# KiCad board mainboard.kicad_pcb
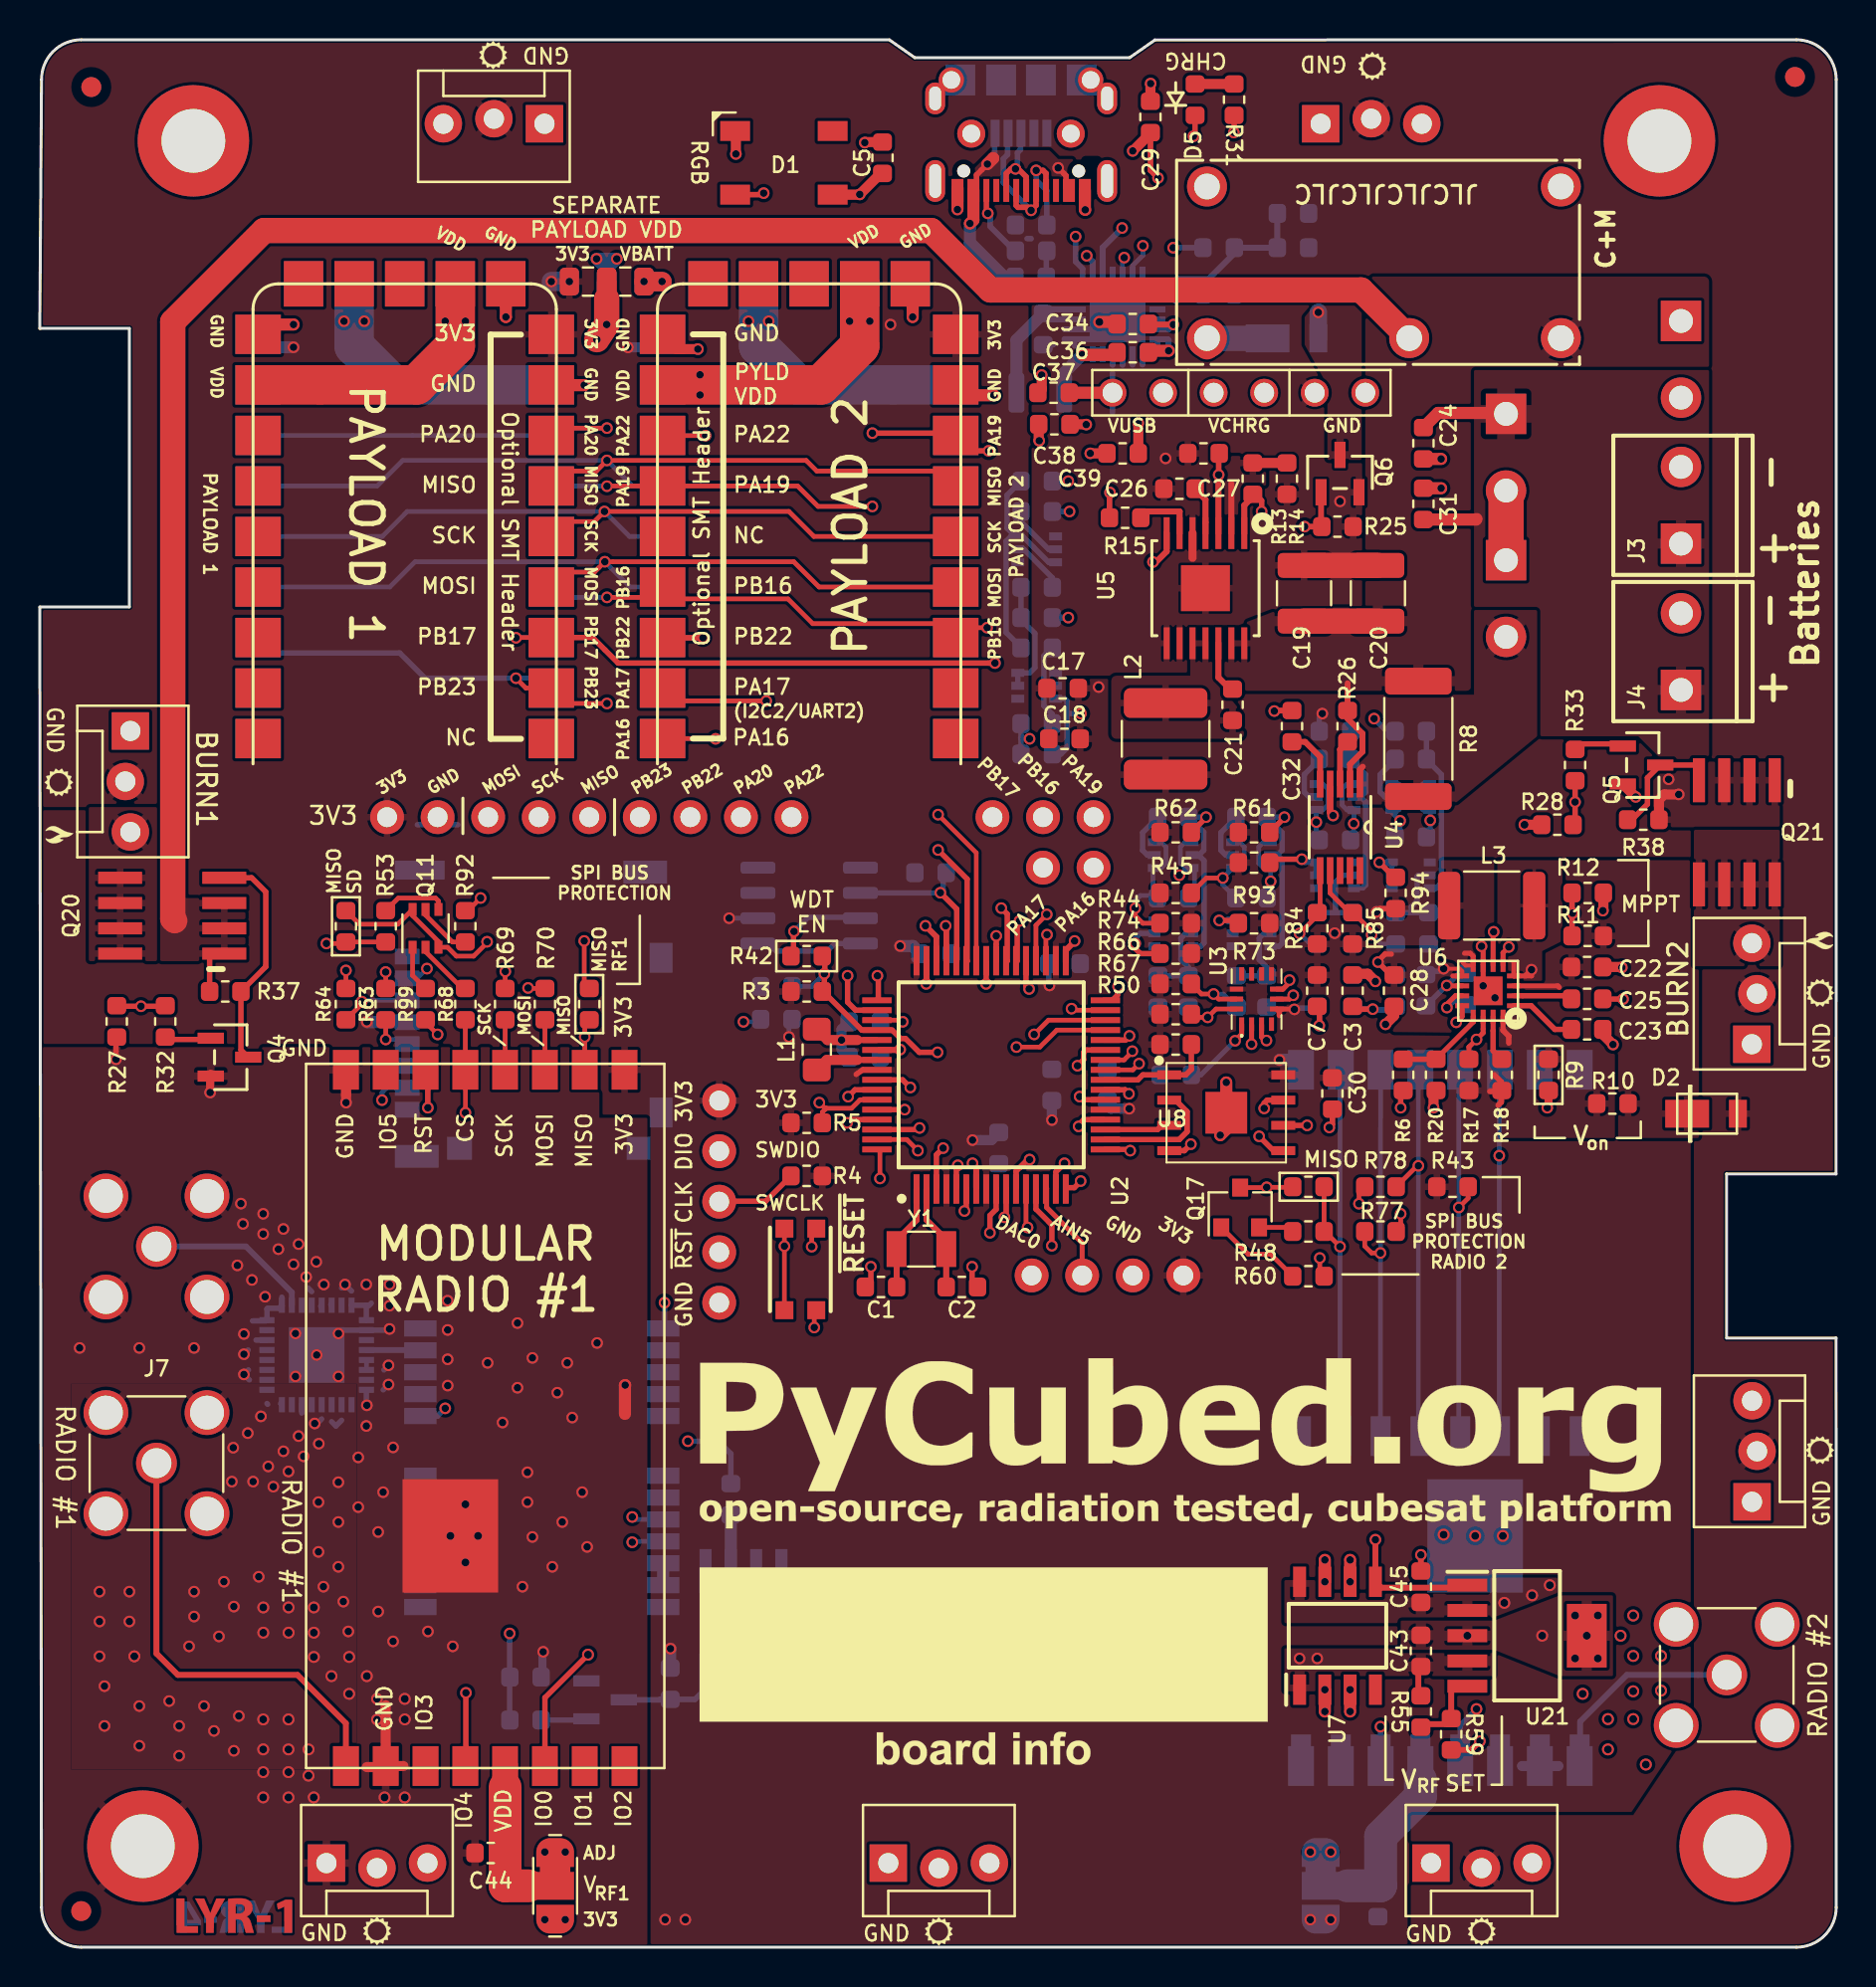
[diagram p0: board, top side]
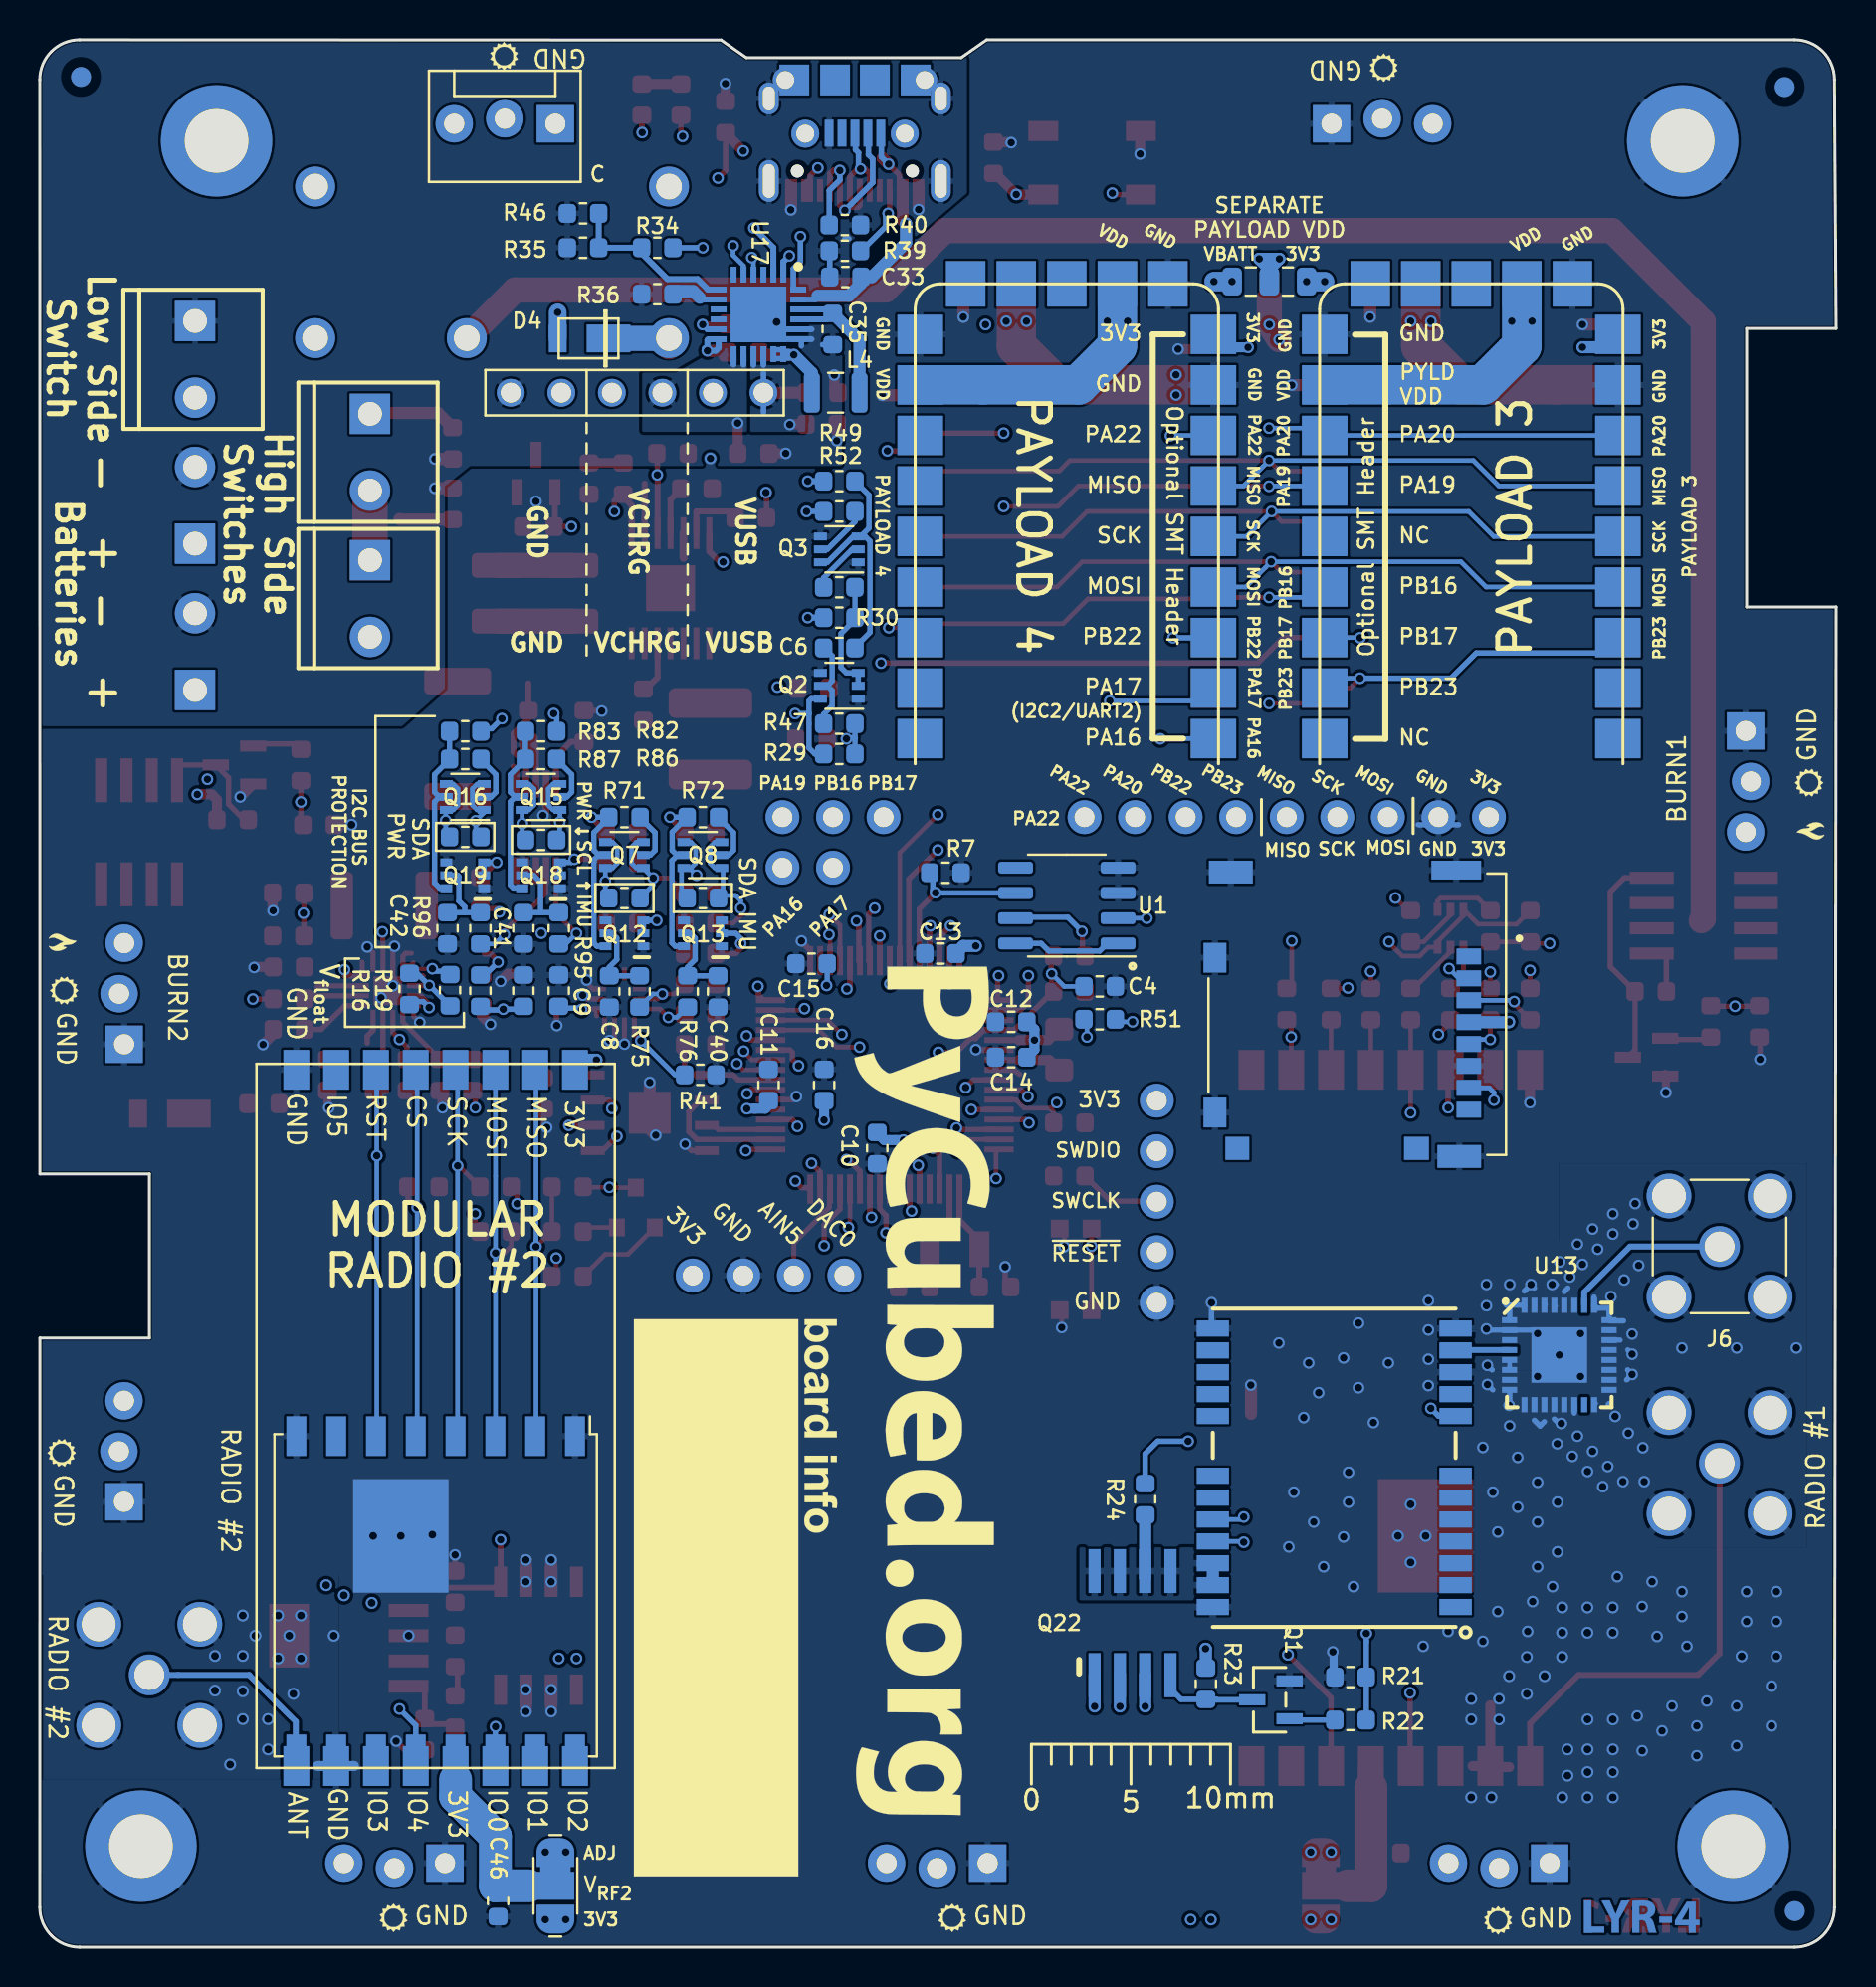
[diagram p1: board, bottom side, seen from below]

Outline 90.26 x 95.88 mm; copper layers: Top, Route2, Route15, Bottom. Coordinates in mm from the lower left corner of the outline.
Outline path: 0,81.37 4.5,81.37 4.5,67.37 0,67.37 0.09,2 arc(0.67,0.59) 2.09,0 88.26,0 arc(89.67,0.59) 90.26,2 90.25,30.62 84.75,30.62 84.75,38.87 90.25,38.87 90.26,93.88 arc(89.67,95.3) 88.26,95.88 56.03,95.88 54.76,94.99 43.96,94.99 42.68,95.88 2.09,95.88 arc(0.67,95.3) 0.09,93.88 0,81.37

## Placement (name value [footprint] x y rotation side)
C1  8pF  [C_0603_1608Metric]  42.26 33.19 180 top
C2  8pF  [C_0603_1608Metric]  46.33 33.19 0 top
C3  0.1uF  [C_0603_1608Metric]  65.96 48.08 90 top
C4  1uF  [C_0603_1608Metric]  37 48.3 0 bottom
C5  0.1uF  [C_0603_1608Metric]  42.34 89.95 90 top
C6  10uF  [C_0603_1608Metric]  50.09 65.32 0 bottom
C7  0.1uF  [C_0603_1608Metric]  64.18 48.08 270 top
C8  10nF  [C_0603_1608Metric]  61.64 48.04 270 bottom
C9  0.1uF  [C_0603_1608Metric]  64.18 48.08 270 bottom
C10  0.1uF  [C_0603_1608Metric]  48.18 40.17 270 bottom
C11  0.1uF  [C_0603_1608Metric]  53.64 43.35 90 bottom
C12  1uF  [C_0603_1608Metric]  41.45 46.52 180 bottom
C13  1uF  [C_0603_1608Metric]  45.01 49.95 0 bottom
C14  10uF  [C_0603_1608Metric]  41.45 44.74 0 bottom
C15  1uF  [C_0603_1608Metric]  51.48 49.44 0 bottom
C16  10uF  [C_0603_1608Metric]  50.85 43.35 90 bottom
C17  22uF  [C_0603_1608Metric]  51.39 63.28 0 top
C18  22uF  [C_0603_1608Metric]  51.48 60.74 0 top
C19  100uF  [C_1210_3225Metric]  63.52 68.06 90 top
C20  100uF  [C_1210_3225Metric]  67.23 68.06 90 top
C21  0.1uF  [C_0603_1608Metric]  59.93 62.46 90 top
C22  10uF  [C_0603_1608Metric]  77.74 49.28 0 top
C23  2.2uF  [C_0603_1608Metric]  77.74 46.14 0 top
C24  0.1uF  [C_0603_1608Metric]  69.52 75.6 270 top
C25  22nF  [C_0603_1608Metric]  77.74 47.67 0 top
C26  3.3nF  [C_0603_1608Metric]  57.26 73.32 180 top
C27  1uF  [C_0603_1608Metric]  58.47 75.1 180 top
C28  22uF  [C_0603_1608Metric]  68.04 48.08 270 top
C29  4.7uF  [C_0603_1608Metric]  55.8 92.01 90 top
C30  0.1uF  [C_0603_1608Metric]  64.94 42.92 270 top
C31  22uF  [C_0603_1608Metric]  69.52 72.56 90 top
C32  3.3nF  [C_0603_1608Metric]  62.91 61.38 270 top
C33  1uF  [C_0603_1608Metric]  49.78 83.96 180 bottom
C34  4.7uF  [C_0603_1608Metric]  54.91 81.6 180 top
C35  10uF  [C_0603_1608Metric]  50.42 81.34 90 bottom
C36  47nF  [C_0603_1608Metric]  54.91 80.18 0 top
C37  22uF  [C_0603_1608Metric]  50.94 78.14 0 top
C38  22uF  [C_0603_1608Metric]  50.97 76.56 0 top
C39  10uF  [C_0603_1608Metric]  54.4 75.1 0 top
C40  10nF  [C_0603_1608Metric]  56.18 48.04 270 bottom
C41  10nF  [C_0603_1608Metric]  65.96 51.22 270 bottom
C42  10nF  [C_0603_1608Metric]  69.77 51.22 270 bottom
C43  10uF  [C_0603_1608Metric]  69.39 14.9 270 top
C44  10uF  [C_0603_1608Metric]  22.65 4.74 0 top
C45  0.1uF  [C_0603_1608Metric]  69.39 18.12 270 top
C46  10uF  [C_0603_1608Metric]  67.23 2.32 90 bottom
D1  WS2812B  [LED_WS2812B_PLCC4_5.0x5.0mm_P3.2mm]  37.39 89.7 180 top
D2  DFLS130L  [PWRDI-123]  83.87 41.9 0 top
D4  DFLS130L  [PWRDI-123]  62.79 80.87 0 bottom
D5  GREEN LED  [LED_0603_1608Metric]  58.04 92.88 90 top
H1  MountingHole_Pad  [MountingHole_3.2mm_M3_DIN965_Pad]  7.72 90.81 0 top
H2  MountingHole_Pad  [MountingHole_3.2mm_M3_DIN965_Pad]  5.18 5.08 0 top
H3  MountingHole_Pad  [MountingHole_3.2mm_M3_DIN965_Pad]  85.18 5.08 0 top
H4  MountingHole_Pad  [MountingHole_3.2mm_M3_DIN965_Pad]  81.38 90.81 0 top
J1  503182-1852  [MOLEX_503182-1852]  24.81 46.9 270 bottom
J2  Conn_01x05  [PinHeader_1x05_P2.54mm_Vertical]  34.13 42.56 0 top
J3  1985807  [SCREWTERMINAL-3.5MM-2_LOCK]  82.46 70.74 90 top
J4  1985807  [SCREWTERMINAL-3.5MM-2_LOCK]  82.46 63.38 90 top
J6  Amphenol_901-144  [SMA_Amphenol_901-144_Vertical]  5.86 35.23 0 bottom
J7  Amphenol_901-144  [SMA_Amphenol_901-144_Vertical]  5.86 24.33 0 top
J8  Conn_01x09  [PinHeader_1x09_P2.54mm_Vertical]  17.45 56.81 90 top
J9  Conn_01x03  [PinHeader_1x03_P2.54mm_Vertical]  47.86 56.81 90 top
J10  Conn_01x04  [PinHeader_1x04_P2.54mm_Vertical]  49.83 33.77 90 top
J11  -  [10118194-0001LF]  49.3 93.87 0 bottom
J12  Amphenol_901-144  [SMA_Amphenol_901-144_Vertical]  84.76 13.69 0 top
J13  USB_C_Receptacle_USB2.0  [USB_C_Receptacle_XKB_U262-161N-4BVC11]  49.81 93.33 180 top
J14  Conn_01x06  [PinHeader_1x06_P2.54mm_Vertical]  53.9 78.14 270 bottom
J15  Conn_01x02  [PinHeader_CUSTOM3]  50.4 54.27 90 top
J16  1985807  [SCREWTERMINAL-3.5MM-2_LOCK]  73.67 76.9 270 bottom
J17  1985807  [SCREWTERMINAL-3.5MM-2_LOCK]  73.67 69.55 270 bottom
J18  1985807  [SCREWTERMINAL-3.5MM-2_LOCK]  82.46 81.57 270 bottom
JP6  Jumper_3_Bridged12  [SolderJumper-3_P1.3mm_Bridged12_RoundedPad1.0x1.5mm]  25.89 3.09 270 top
JP7  Jumper_3_Bridged12  [SolderJumper-3_P1.3mm_Bridged12_RoundedPad1.0x1.5mm]  64.35 3.09 270 bottom
JP8  Conn_01x03  [MOLEX-1X3_LOCK]  42.63 4.1 0 top
JP9  Conn_01x03  [MOLEX-1X3_LOCK]  25.36 91.79 180 top
JP10  Conn_01x03  [MOLEX-1X3_LOCK]  64.35 91.79 0 bottom
JP11  Conn_01x03  [MOLEX-1X3_LOCK]  4.42 61.14 270 top
JP12  Conn_01x03  [MOLEX-1X3_LOCK]  86.15 45.39 90 top
JP13  Conn_01x03  [MOLEX-1X3_LOCK]  14.4 4.1 0 top
JP14  Conn_01x03  [MOLEX-1X3_LOCK]  69.9 4.1 0 top
JP15  Conn_01x03  [MOLEX-1X3_LOCK]  86.15 22.39 90 top
L1  10uH  [L_0805_2012Metric_Pad1.15x1.40mm_HandSolder]  39.04 45.12 270 top
L2  3.3uH  [L_2141]  56.56 60.74 270 top
L3  33uH  [L_1812_4532Metric]  72.95 52.36 0 top
L4  1uH  [L_2510]  50.27 78.14 0 bottom
Q1  IRLML2803  [SOT-23]  28.47 12.44 90 bottom
Q2  MBT2222ADW1T1  [SOT-363_SC-70-6]  50.09 63.41 0 bottom
Q3  MBT2222ADW1T1  [SOT-363_SC-70-6]  50.09 70.27 0 bottom
Q4  IRLML2803  [SOT-23]  9.59 44.74 270 top
Q5  IRLML2803  [SOT-23]  80.54 59.43 270 top
Q6  MMBT2222AT  [SOT-23]  65.33 74.14 0 top
Q7  MBT2222ADW1T1  [SOT-363_SC-70-6]  60.88 54.9 0 bottom
Q8  MBT2222ADW1T1  [SOT-363_SC-70-6]  56.94 54.9 0 bottom
Q11  MMDT2907  [SOT-363_SC-70-6]  19.38 51.22 90 top
Q12  -  [BSS138DWQ-7]  60.88 50.97 0 bottom
Q13  -  [BSS138DWQ-7]  56.94 50.97 0 bottom
Q15  MBT2222ADW1T1  [SOT-363_SC-70-6]  65.07 57.82 0 bottom
Q16  MBT2222ADW1T1  [SOT-363_SC-70-6]  68.88 57.82 0 bottom
Q17  MMBT2907  [SOT-23#2]  60.31 37.19 90 top
Q18  -  [BSS138DWQ-7]  65.07 53.89 0 bottom
Q19  -  [BSS138DWQ-7]  68.88 53.89 0 bottom
Q20  -  [NDS8434]  6.65 51.85 90 top
Q21  -  [NDS8434]  85.26 56.05 180 top
Q22  -  [NDS8434]  35.35 16.29 180 bottom
R1  316K  [R_0603_1608Metric]  68.12 48.08 270 bottom
R2  110K  [R_0603_1608Metric]  65.96 48.08 270 bottom
R3  10K  [R_0603_1608Metric]  38.53 48.04 0 top
R4  10K  [R_0603_1608Metric]  38.53 38.77 180 top
R5  10K  [R_0603_1608Metric]  38.53 41.44 0 top
R6  4.7K  [R_0603_1608Metric]  68.5 43.85 270 top
R7  10K  [R_0603_1608Metric]  44.75 54.01 0 bottom
R8  0.1  [R_2512_6332Metric]  69.26 60.74 270 top
R9  107K  [R_0603_1608Metric]  75.8 43.85 270 top
R10  0  [R_0603_1608Metric]  79.01 42.41 0 top
R11  787K  [R_0603_1608Metric]  77.77 50.84 0 top
R12  121K  [R_0603_1608Metric]  77.77 53 180 top
R13  73.2K  [R_0603_1608Metric]  60.94 73.83 270 top
R14  22.1K  [R_0603_1608Metric]  62.66 73.83 90 top
R15  100K  [R_0603_1608Metric]  54.53 71.86 180 top
R16  845K  [R_0603_1608Metric]  71.68 48.17 90 bottom
R17  100k  [R_0603_1608Metric]  71.8 43.85 270 top
R18  100k  [R_0603_1608Metric]  73.45 43.85 270 top
R19  2.1M  [R_0603_1608Metric]  69.64 48.11 270 bottom
R20  3.01K  [R_0603_1608Metric]  70.15 43.85 90 top
R21  10K  [R_0603_1608Metric]  24.4 13.58 0 bottom
R22  4.7K  [R_0603_1608Metric]  24.4 11.42 0 bottom
R23  3.3K  [R_0603_1608Metric]  31.67 13.25 270 bottom
R24  10K  [R_0603_1608Metric]  34.72 22.52 270 bottom
R25  10K  [R_0603_1608Metric]  65.2 71.41 0 top
R26  1K  [R_0603_1608Metric]  65.71 61.38 270 top
R27  10K  [R_0603_1608Metric]  3.87 46.54 270 top
R28  10K  [R_0603_1608Metric]  76.25 56.43 180 top
R29  73.2K  [R_0603_1608Metric]  50.09 59.98 0 bottom
R30  100K  [R_0603_1608Metric]  50.09 66.84 180 bottom
R31  10K  [R_0603_1608Metric]  60 92.88 270 top
R32  4.7K  [R_0603_1608Metric]  6.3 46.54 90 top
R33  4.7K  [R_0603_1608Metric]  77.14 59.43 270 top
R34  5.23K  [R_0603_1608Metric]  59.23 85.43 0 bottom
R35  30.1K  [R_0603_1608Metric]  62.96 85.43 180 bottom
R36  3.16K  [R_0603_1608Metric]  59.23 83.1 180 bottom
R37  100k  [R_0603_1608Metric]  9.32 48.04 180 top
R38  100k  [R_0603_1608Metric]  80.57 56.68 0 top
R39  5.1K  [R_0603_1608Metric]  49.81 85.28 180 bottom
R40  5.1K  [R_0603_1608Metric]  49.81 86.58 0 bottom
R41  10K  [R_0603_1608Metric]  57.07 43.86 180 bottom
R42  10K  [R_0603_1608Metric]  38.53 49.82 180 top
R43  10K  [R_0603_1608Metric]  70.98 38.23 0 top
R44  10K  [R_0603_1608Metric]  57.07 51.47 180 top
R45  10K  [R_0603_1608Metric]  57.07 53 0 top
R46  10K  [R_0603_1608Metric]  62.96 87.16 180 bottom
R47  200K  [R_0603_1608Metric]  50.09 61.51 0 bottom
R48  0  [R_0603_1608Metric]  63.74 35.98 0 top
R49  100K  [R_0603_1608Metric]  50.09 73.7 180 bottom
R50  10K  [R_0603_1608Metric]  57.07 45.38 180 top
R51  10K  [R_0603_1608Metric]  37 46.65 0 bottom
R52  10K  [R_0603_1608Metric]  50.09 72.17 0 bottom
R53  0  [R_0603_1608Metric]  17.38 51.32 270 top
R54  0  [R_0805_2012Metric]  27.54 83.73 0 top
R55  10K  [R_0603_1608Metric]  69.39 11.85 270 top
R56  0  [R_0805_2012Metric]  29.42 83.73 0 top
R57  0  [R_0805_2012Metric]  27.54 83.73 0 bottom
R58  0  [R_0805_2012Metric]  29.41 83.73 0 bottom
R59  3.3K  [R_0603_1608Metric]  70.91 10.71 270 top
R60  4.7K  [R_0603_1608Metric]  63.74 33.73 0 top
R61  10K  [R_0603_1608Metric]  61.01 56.05 0 top
R62  10K  [R_0603_1608Metric]  57.07 56.05 0 top
R63  1K  [R_0603_1608Metric]  17.38 47.41 90 top
R64  1K  [R_0603_1608Metric]  15.38 47.41 90 top
R66  10K  [R_0603_1608Metric]  57.07 48.43 0 top
R67  10K  [R_0603_1608Metric]  57.07 46.9 0 top
R68  4.7K  [R_0603_1608Metric]  21.38 47.41 270 top
R69  1K  [R_0603_1608Metric]  23.38 47.41 90 top
R70  1K  [R_0603_1608Metric]  25.38 47.41 270 top
R71  680  [R_0603_1608Metric]  60.88 56.81 0 bottom
R72  680  [R_0603_1608Metric]  56.94 56.81 0 bottom
R73  100K  [R_0603_1608Metric]  61.01 51.47 180 top
R74  100K  [R_0603_1608Metric]  57.07 49.95 180 top
R75  200K  [R_0603_1608Metric]  60.12 48.04 90 bottom
R76  200K  [R_0603_1608Metric]  57.71 48.04 90 bottom
R77  1K  [R_0603_1608Metric]  67.36 35.98 0 top
R78  1K  [R_0603_1608Metric]  67.36 38.23 180 top
R82  10K  [R_0603_1608Metric]  65.07 61.13 0 bottom
R83  10K  [R_0603_1608Metric]  68.88 61.13 0 bottom
R84  10K  [R_0603_1608Metric]  64.18 51.22 90 top
R85  10K  [R_0603_1608Metric]  65.96 51.22 90 top
R86  680  [R_0603_1608Metric]  65.07 59.73 0 bottom
R87  680  [R_0603_1608Metric]  68.88 59.73 0 bottom
R92  4.7K  [R_0603_1608Metric]  21.38 51.32 90 top
R93  100K  [R_0603_1608Metric]  61.01 54.52 0 top
R94  100K  [R_0603_1608Metric]  68.12 53 90 top
R95  200K  [R_0603_1608Metric]  64.18 51.22 90 bottom
R96  200K  [R_0603_1608Metric]  68.12 51.22 90 bottom
R97  0  [R_0603_1608Metric]  60.88 52.74 180 bottom
R98  0  [R_0603_1608Metric]  56.94 52.74 180 bottom
R99  0  [R_0603_1608Metric]  19.38 47.41 270 top
R101  0  [R_0603_1608Metric]  27.61 47.41 90 top
R104  0  [R_0603_1608Metric]  15.38 51.32 90 top
R107  0  [R_0603_1608Metric]  63.74 38.23 180 top
R108  0  [R_0603_1608Metric]  65.07 55.66 180 bottom
R109  0  [R_0603_1608Metric]  68.88 55.82 180 bottom
R110  20K  [R_0603_1608Metric]  50.09 68.36 180 bottom
REF1B  -  [Fiducial_1mm_Mask2mm]  88.19 94.02 0 bottom
REF1T  -  [Fiducial_1mm_Mask2mm]  2.08 1.82 0 top
REF2B  -  [Fiducial_1mm_Mask2mm]  2.59 93.51 0 bottom
REF2T  -  [Fiducial_1mm_Mask2mm]  2.59 93.51 90 top
REF3B  -  [Fiducial_1mm_Mask2mm]  2.08 1.82 0 bottom
REF3T  -  [Fiducial_1mm_Mask2mm]  88.19 94.02 0 top
REF**  Val**  [layers]  9.95 -0.22 0 top
REF**#2  Val**  [sun]  1.04 58.51 0 top
REF**#3  Val**  [flame]  1.01 55.99 270 top
REF**#4  Val**  [flame]  89.38 50.53 90 top
REF**#5  Val**  [sun]  89.35 48.02 180 top
REF**#6  Val**  [sun]  22.73 95.03 270 top
REF**#7  Val**  [sun]  66.9 94.48 270 top
REF**#8  Val**  [sun]  89.35 25.03 180 top
REF**#9  Val**  [sun]  45.22 0.88 90 top
REF**#10  Val**  [sun]  16.99 0.9 90 top
REF**#11  Val**  [version]  36.37 3.21 0 top
REF**#12  Val**  [opensource]  56.06 22.57 0 top
REF**#13  Val**  [sun]  72.49 0.88 90 top
REF**#14  VAL**  [pycubed_logo]  54.73 26 0 top
REF**#15  VAL**  [board_info_block]  47.42 14.14 0 top
REF**#16  Val**  []  57.07 92.62 270 top
REF**#17  Val**  [pycubed_logo]  46.02 27.85 270 bottom
REF**#18  Val**  [flame]  1.32 56.05 90 bottom
REF**#19  Val**  [sun]  1.44 58.59 0 bottom
REF**#20  Val**  [flame]  89.07 50.58 270 bottom
REF**#21  Val**  [sun]  88.95 48.04 180 bottom
REF**#22  Val**  [sun]  22.78 94.4 270 bottom
REF**#23  Val**  [sun]  16.94 1.44 90 bottom
REF**#24  Val**  [sun]  44.37 1.56 90 bottom
REF**#25  Val**  [sun]  72.44 1.56 90 bottom
REF**#26  Val**  [sun]  89.07 24.8 180 bottom
REF**#27  Val**  [sun]  66.98 94.98 270 bottom
REF**#28  Val**  [version]  36.24 3.21 180 bottom
REF**#29  VAL**  [board_info_block_bot]  55.29 17.56 270 bottom
REF**#30  -  [Gauge_10mm_Type1_SilkScreenTop]  40.43 10.2 180 bottom
SW1  KMR231NG LFS  [BTN_KMR2_4.6X2.8]  38.21 34.07 90 top
U1  MAX706RESA  [SO-8_3.9x4.9mm_P1.27mm]  38.66 52.36 0 bottom
U2  ATSAMD51J19A-AU  [QFP50P1200X1200X120-64N]  47.8 43.85 90 top
U3  -  [BMX160]  61.13 47.66 270 top
U4  -  [ADM1176-1ARMZ-R7]  65.33 56.3 270 top
U5  TPS54226PWPRPWP14_2P31X2P46-L  [PWP14_2P31X2P46-L]  58.57 68.32 270 top
U6  LTC4121  [QFN-16-PAD]  72.77 48.08 180 top
U7  KF50BD-TR  [SOIC127P600X175-8N]  65.2 15.66 90 top
U8  MR25H40MDF  [SON127P600X500X90-9N]  59.61 41.95 0 top
U9  XTB-40  [XTB40_payload]  10.71 83.62 0 bottom
U10  XTB-40  [XTB40_payload]  25.95 83.62 180 top
U11  XTB-40  [XTB40_payload]  31.04 83.62 0 bottom
U12  XTB-40  [XTB40_payload]  46.27 83.62 180 top
U13  EP2W+  [QFN32-5X5MM]  13.91 29.77 180 bottom
U14  S1216V8  [S1216_24PIN_PACKAGE]  24.97 24.72 180 bottom
U15  RFM9xBreakout  [HOPERF_RFM9XW_SMD]  70.37 17.69 270 bottom
U16  PE014006  [RELAY_PE014006]  75.84 88.51 90 top
U17  BQ25883RGER  [QFN50P400X400X100-25N-D]  54.15 82.08 270 bottom
U21  -  [TPS7A4501DCQT]  74.72 15.66 0 top
U23  RFM98PW  [RFM95PW]  22.88 26.71 270 top
U24  RFM98PW  [RFM95PW]  69.87 26.71 270 bottom
Y1  32.768kHz  [Crystal_SMD_3215-2Pin_3.2x1.5mm]  44.29 35.1 180 top

## Library data of the parts
D1 = -: Field4: 1
J11 = -: Field4: PCB~{Edge}
Q1 = -: Field4: REF**
U5 U14 = -: Field4: >Name
U16 = -: Field4: REF**; Field5: *
U23 U24 = -: Field4: RADIO 2

## Footprints (pads in the part's own frame, mm; a bottom-side part is the same pattern mirrored in y, then rotated)
10118194-0001LF
  rect 0.45x1.35 smd: 1(-1.3,2.675) 2(-0.65,2.675) 3(0,2.675) 4(0.65,2.675) 5(1.3,2.675)
  round 1.408 hole 0.9: 6(-2.5,2.7) 7(2.5,2.7)
  round 1.27 hole 0.889: 8(-3.5,0) 9(3.5,0)
  rect 1.5x1.55 smd: 10(-1,0) 11(1,0) 12(-3.05,0) 13(3.05,0)
ADM1176-1ARMZ-R7
  rect 1.35x0.33 smd: 1(-2.17,1) 2(-2.17,0.5) 3(-2.17,0) 4(-2.17,-0.5) 5(-2.17,-1) 6(2.18,-1) 7(2.18,-0.5) 8(2.18,0) 9(2.18,0.5) 10(2.18,1)
BMX160
  rect 0.675x0.25 smd: 1(1.262,-0.75) 2(1.262,-0.25) 3(1.262,0.25) 4(1.262,0.75) 8(-1.262,0.75) 9(-1.262,0.25) 10(-1.262,-0.25) 11(-1.262,-0.75)
  rect 0.25x0.675 smd: 5(0.5,1.012) 6(0,1.012) 7(-0.5,1.012) 12(-0.5,-1.012) 13(0,-1.012) 14(0.5,-1.012)
BSS138DWQ-7
  rect 0.6x0.4 smd: 1(-0.95,0.65) 2(-0.95,0) 3(-0.95,-0.65) 4(0.95,-0.65) 5(0.95,0) 6(0.95,0.65)
BTN_KMR2_4.6X2.8
  rect 0.9x0.9 smd: A(2.05,0.8) A'(-2.05,0.8) B(2.05,-0.8) B'(-2.05,-0.8)
C_0603_1608Metric
  rrect 0.875x0.95 smd: 1(-0.787,0) 2(0.787,0)
C_1210_3225Metric
  rrect 1.25x2.65 smd: 1(-1.4,0) 2(1.4,0)
Crystal_SMD_3215-2Pin_3.2x1.5mm
  rect 1x1.8 smd: 1(1.25,0) 2(-1.25,0)
Fiducial_1mm_Mask2mm
  round 1 smd: (0,0)
HOPERF_RFM9XW_SMD
  rect 2x1 smd: 1(-8,7) 2(-8,5) 3(-8,3) 4(-8,1) 5(-8,-1) 6(-8,-3) 7(-8,-5) 8(-8,-7) 9(8,-7) 10(8,-5) 11(8,-3) 12(8,-1) 13(8,1) 14(8,3) 15(8,5) 16(8,7)
L_0805_2012Metric_Pad1.15x1.40mm_HandSolder
  rrect 1.15x1.4 smd: 1(-1.025,0) 2(1.025,0)
L_1812_4532Metric
  rrect 1.125x3.4 smd: 1(-2.138,0) 2(2.138,0)
L_2141
  rrect 1.5x4.2 smd: 1(-1.8,0) 2(1.8,0)
L_2510
  rrect 0.8x2 smd: 1(-1.2,0) 2(1.2,0)
LED_0603_1608Metric
  rrect 0.875x0.95 smd: 1(-0.787,0) 2(0.787,0)
LED_WS2812B_PLCC4_5.0x5.0mm_P3.2mm
  rect 1.5x1 smd: 1(-2.45,1.6) 2(-2.45,-1.6) 3(2.45,-1.6) 4(2.45,1.6)
MOLEX-1X3_LOCK
  rect 1.88x1.88 hole 1.016: 1(0,0.127)
  round 1.88 hole 1.016: 2(2.54,-0.127) 3(5.08,0.127)
MOLEX_503182-1852
  rect 0.8x1.24 smd: 1(-2.9,6.355) 2(-1.8,6.355) 3(-0.7,6.355) 4(0.4,6.355) 5(1.5,6.355) 6(2.6,6.355) 7(3.7,6.355) 8(4.8,6.355)
  rect 1.16x1.2 smd: DT(6.74,-5.275)
  rect 0.95x2.5 smd: P1(-7.245,5.725)
  rect 1.15x2.2 smd: P2(7.145,5.875) P3(-7.145,-5.605)
  rect 1.5x1.15 smd: P4(-2.84,-6.4) P5(4.94,-6.4)
  rect 1.16x1.25 smd: SW(6.74,3.725)
MountingHole_3.2mm_M3_DIN965_Pad
  round 5.6 hole 3.2: 1(0,0)
NDS8434
  rect 0.61x2.21 smd: 1(-1.905,-2.616) 2(-0.635,-2.616) 3(0.635,-2.616) 4(1.905,-2.616) 5(1.905,2.616) 6(0.635,2.616) 7(-0.635,2.616) 8(-1.905,2.616)
PinHeader_1x03_P2.54mm_Vertical
  oval 1.7x1.7 hole 1: 1(0,0) 2(0,-2.54) 3(0,-5.08)
PinHeader_1x04_P2.54mm_Vertical
  oval 1.7x1.7 hole 1: 1(0,0) 2(0,-2.54) 3(0,-5.08) 4(0,-7.62)
PinHeader_1x05_P2.54mm_Vertical
  oval 1.7x1.7 hole 1: 1(0,0) 2(0,-2.54) 3(0,-5.08) 4(0,-7.62) 5(0,-10.16)
PinHeader_1x06_P2.54mm_Vertical
  round 1.4 hole 1: 1(0,0) 2(0,-2.54) 3(0,-5.08) 4(0,-7.62) 5(0,-10.16) 6(0,-12.7)
PinHeader_1x09_P2.54mm_Vertical
  oval 1.7x1.7 hole 1: 1(0,0) 2(0,-2.54) 3(0,-5.08) 4(0,-7.62) 5(0,-10.16) 6(0,-12.7) 7(0,-15.24) 8(0,-17.78) 9(0,-20.32)
PinHeader_CUSTOM3
  oval 1.7x1.7 hole 1: 1(0,0) 2(0,-2.54)
PWP14_2P31X2P46-L
  rect 1.6x0.305 smd: 1(-2.769,1.95) 2(-2.769,1.3) 3(-2.769,0.65) 4(-2.769,0) 5(-2.769,-0.65) 6(-2.769,-1.3) 7(-2.769,-1.95) 8(2.769,-1.95) 9(2.769,-1.3) 10(2.769,-0.65) 11(2.769,0) 12(2.769,0.65) 13(2.769,1.3) 14(2.769,1.95)
  rect 2.31x2.46 smd: 15(0,0)
PWRDI-123
  rect 0.9x1.4 smd: A(1.45,0)
  rect 2.2x1.4 smd: C(-1.1,0)
QFN32-5X5MM
  rect 0.762x0.305 smd: 1(-2.5,1.75) 2(-2.5,1.25) 3(-2.5,0.75) 4(-2.5,0.25) 5(-2.5,-0.25) 6(-2.5,-0.75) 7(-2.5,-1.25) 8(-2.5,-1.75) 17(2.5,-1.75) 18(2.5,-1.25) 19(2.5,-0.75) 20(2.5,-0.25) 21(2.5,0.25) 22(2.5,0.75) 23(2.5,1.25) 24(2.5,1.75)
  rect 0.305x0.762 smd: 9(-1.75,-2.5) 10(-1.25,-2.5) 11(-0.75,-2.5) 12(-0.25,-2.5) 13(0.25,-2.5) 14(0.75,-2.5) 15(1.25,-2.5) 16(1.75,-2.5) 25(1.75,2.5) 26(1.25,2.5) 27(0.75,2.5) 28(0.25,2.5) 29(-0.25,2.5) 30(-0.75,2.5) 31(-1.25,2.5) 32(-1.75,2.5)
  rect 2.794x2.794 smd: EP(0,0)
QFN50P400X400X100-25N-D